# Altium PCB PCB1.PcbDoc (continued)
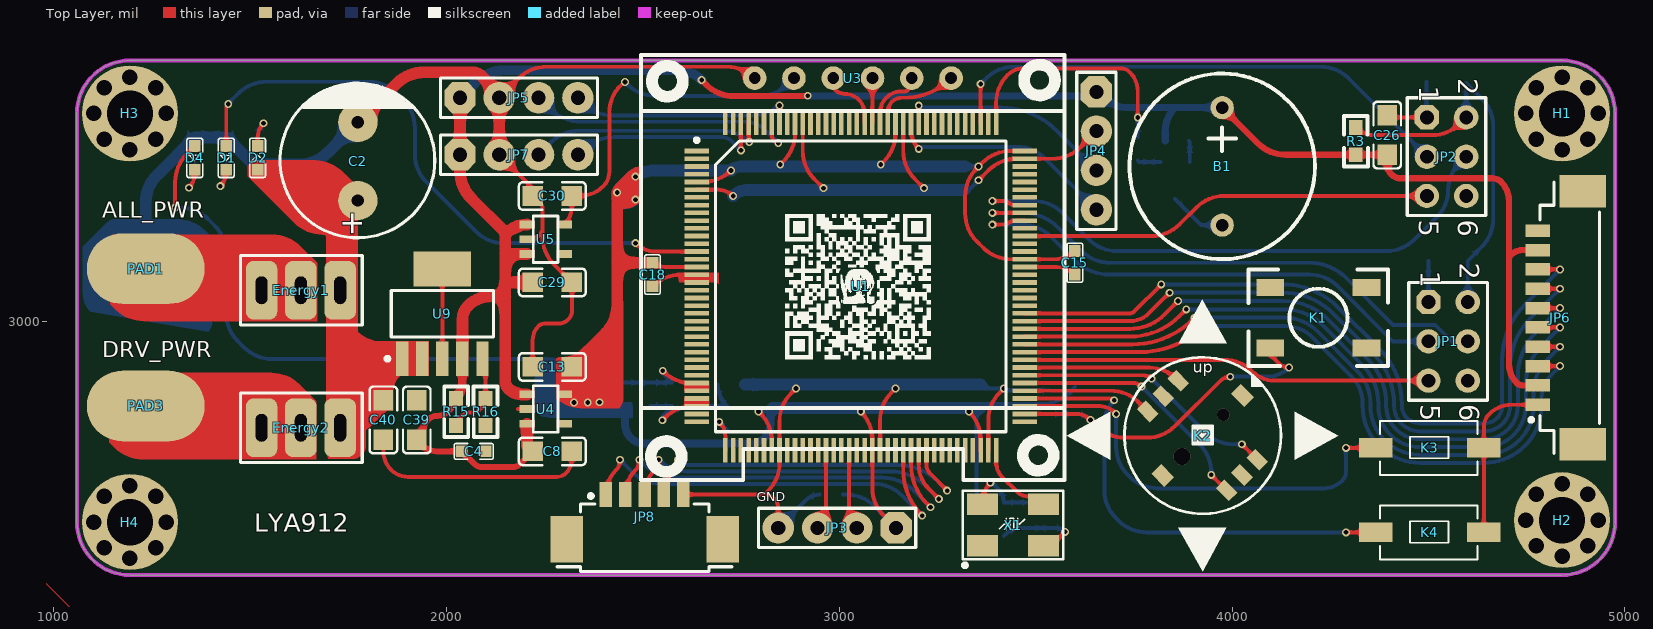
[diagram p0: Top Layer view]
## Nets (pads, with @x,y where several pads share a name; then routed paths per layer and width w, separated by ;. In a path a pad name is that pad's centre, name@x,y a point inside that pad or via, vN(x,y) a via of type N, cw(c..) or ccw(c..) an arc to the next point about the centre after c; other vN are vias at no path point) (continued)
ADC5: JP6.7 U1.86 | length 1886
  Top Layer w10: U1.86 3740,3001.42 ccw(c3740,3071.05) 3789.24,3021.81 v1(3841.21,3073.79) ; JP6.7 v1(4835,3083.82)
  Bottom Layer w10: v1(3841.21,3073.79) 4129.79,3073.79 cw(c4129.79,2893.79) 4257.07,3021.07 4359.71,2918.43 cw(c4232.43,2791.15) 4412.43,2791.15 4412.43,2785.36 ccw(c4475.36,2785.36) 4430.86,2740.86 ccw(c4479.14,2789.14) 4479.14,2720.86 4640.86,2720.86 ccw(c4640.86,2789.14) 4689.14,2740.86 ccw(c4644.64,2785.36) 4707.57,2785.36 4707.57,2881.83 cw(c4887.57,2881.83) 4760.29,3009.11 v1(4835,3083.82)
ADC6: JP6.8 U1.87 | length 1914.7
  Top Layer w10: U1.87 3740,3021.1 ccw(c3740,3035.83) 3750.41,3025.41 v1(3820,3095) ; JP6.8 v1(4835,3133.03)
  Bottom Layer w10: v1(3820,3095) 4128.58,3095 cw(c4128.58,2895) 4270,3036.42 4373.85,2932.57 cw(c4232.43,2791.15) 4432.43,2791.15 4432.43,2785.36 ccw(c4475.36,2785.36) 4445,2755 ccw(c4479.14,2789.14) 4479.14,2740.86 4640.86,2740.86 ccw(c4640.86,2789.14) 4675,2755 ccw(c4644.64,2785.36) 4687.57,2785.36 4687.57,2902.76 cw(c4887.57,2902.76) 4746.15,3044.18 v1(4835,3133.03)
BEEP: R1.1 U1.109 | length 617.2
  Top Layer w10: U1.109 3399.49,3557.16 cw(c3499.49,3557.16) 3428.78,3627.87 cw(c3470.14,3586.51) 3470.14,3645 3715.86,3645 cw(c3715.86,3610.86) 3740,3635 cw(c3691.72,3586.72) 3760,3586.72 v1(3760,3520)
  Bottom Layer w10: R1.1 v1(3760,3520)
DIR_1: JP1.4 U1.100 | length 1412.3
  Top Layer w10: v1(3390,3277.01) U1.100
  Bottom Layer w10: v1(3390,3277.01) 3466.57,3277.01 cw(c3466.57,3147.01) 3558.49,3238.93 3618.14,3179.29 ccw(c3688.85,3250) 3688.85,3150 4197.72,3150 cw(c4197.72,3020) 4289.64,3111.92 4409.57,2992 4517.4,2992 4559.4,2950 JP1.4
DIR_2: JP2.4 U1.101 | length 1468.3
  Top Layer w10: v1(3390,3307.01) 3425.51,3307.01 ccw(c3450.41,3331.91) 3450.41,3296.69 U1.101
  Bottom Layer w10: v1(3390,3307.01) 3496.57,3307.01 cw(c3496.57,3207.01) 3567.28,3277.72 3635.71,3209.29 ccw(c3706.42,3280) 3706.42,3180 4393.58,3180 ccw(c4393.58,3280) 4464.29,3209.29 4521.72,3266.72 ccw(c4453.43,3335) 4550,3335 cw(c4644.1,3335) 4577.56,3401.54 JP2.4
GND: C1.1 C2.2 C3.1 C4.1 C8.1 C11.1 C13.1 C15.1 C16.1 C17.1 C18.1 C19.1 C20.1 C21.1 C22.1 C23.1 C26.1 C27.1 C28.1 C29.1 C30.1 C39.1 C40.1 H1.1@4840,3437.48 H1.1@4840,3530 H2.1@4840,2495 H2.1@4840,2587.52 H3.1@1195,3437.48 H3.1@1195,3530 H4.1@1195,2490 H4.1@1195,2582.52 JP1.1 JP2.1 JP3.4 JP4.2 JP5.2 JP6.1 JP6.10 JP7.2 JP8.5 K1.2@4097.5,3087.5 K2.5 K3.2 K4.2 PAD2.1 Q1.2 R2.1 R6.1 R11.1 R13.1 R14.1 R16.2 U1.6 U1.17 U1.18 U1.44 U1.57 U1.71 U1.93 U1.107 U1.121 U1.134 U3.1 U4.2 U5.2 U9.3 | length 8195.4
  Top Layer w10: C40.1@1840,2701.06 C40.1 1840,2670.82 ccw(c1908.28,2670.82) 1860,2622.54 ccw(c1902.34,2664.88) 1902.34,2605 2280.86,2605 ccw(c2280.86,2639.14) 2305,2615 ccw(c2268.79,2651.21) 2320,2651.21 C8.1 C8.1@2305,2670 ; C39.1 C39.1@1938.79,2800 ; U9.3@1990,2905.83 U9.3@1990,3134.17 ; R16.2 R16.2@2112.31,2748.31 ; JP7.2 2205.86,3354.14 cw(c2171.72,3320) C30.1 2241.46,3298.54 cw(c2232.93,3290) 2245,3290 2245,3240 ; JP5.2 2184.71,3619.71 cw(c2255.42,3549) 2255.42,3649 2714.99,3649 cw(c2714.99,3549.99) U3.1 ; 2183.02,2777.6 U4.2 ; U5.2 2213.71,3210 ccw(c2213.71,3242.21) 2236.48,3219.43 ccw(c2215.92,3240) 2245,3240 ; C13.1@2237.32,2867.68 C13.1 2220,2952.72 cw(c2271.21,2952.72) 2235,2988.93 cw(c2249.64,2974.29) 2249.64,2995 2285.86,2995 ccw(c2285.86,3029.14) 2310,3005 ccw(c2285.86,3029.14) 2320,3029.14 C29.1 2274.29,3145.71 cw(c2345,3216.42) 2245,3216.42 2245,3240 ; C18.1 2525.24,3090.24 cw(c2595.95,3019.53) 2595.95,3119.53 U1.17 U1.18 ; JP8.5 2810.29,2560.24 ; U1.6 2691.42,3336.06 cw(c2691.42,3281.22) v1(2730.2,3320) ; JP3.4 2845,2525.86 ccw(c2810.86,2525.86) 2835,2550 ccw(c2810.29,2525.29) 2810.29,2560.24 ; v1(2890,2830) 2877.6,2817.6 ccw(c2948.31,2746.89) 2848.31,2746.89 U1.44 2848.31,2639.68 cw(c2748.31,2639.68) 2819.02,2568.97 2810.29,2560.24 ; U1.134 2907.36,3434.06 ccw(c3007.36,3434.06) 2936.65,3363.35 v1(2960,3340) ; U1.57 3104.21,2749.21 cw(c3204.21,2749.21) 3133.5,2819.92 v1(3143.58,2830) ; U1.121 3163.27,3434.06 ccw(c3263.27,3434.06) 3192.56,3363.35 v1(3215.91,3340) ; v1(3355,3360) 3380.51,3385.51 cw(c3451.22,3314.8) 3451.22,3414.8 U1.107 3543.38,3414.8 ccw(c3543.38,3514.8) 3614.09,3444.09 JP4.2 ; U1.71 3379.8,2749.21 cw(c3479.8,2749.21) 3409.09,2819.92 v1(3419.17,2830) ; U1.93 3553.62,3139.21 cw(c3553.62,3073.62) C15.1 ; C26.1 ccw(c4407.07,3537.07) 4407.07,3520 JP2.1 ; K4.2 K3.2 4641.02,2731.46 cw(c4688.74,2731.46) 4655,2765.2 cw(c4711.36,2708.83) 4711.36,2788.54 JP6.1
  Top Layer w30: C2.2 1873.39,3605.71 cw(c1944.1,3535) 1944.1,3635 2065.86,3635 cw(c2065.86,3600.86) 2090,3625 2127.93,3587.07 cw(c2110.86,3570) JP5.2 JP7.2
  Bottom Layer w10: JP3.4@2879.14,2489.14 cw(c2845,2523.28) JP3.4 2915.86,2545.86 cw(c2950,2511.72) C1.1 ; C23.1 ccw(c3320,3359.14) 3337.07,3342.07 v1(3355,3360) ; C22.1 ccw(c3384.14,2864.14) 3384.14,2830 v1(3419.17,2830) 3424.17,2825 C11.1 ; C3.1 3892.4,3457.6 Q1.2 ; C28.1 4495,3522.47 ccw(c4498.49,3522.47) JP2.1 ; JP1.1 C27.1
  Bottom Layer w30: PAD2.1 1235,3302.58 cw(c1335,3302.58) 1264.29,3373.29 R14.1 R2.1 1501.22,3407.78 ccw(c1520,3426.56) R6.1 1626.26,3400 ccw(c1626.26,3500) 1696.97,3429.29 C2.2 ; v1(2730.2,3320) 2731.19,3321 cw(c2765,3287.19) C21.1 C19.1 C17.1 C23.1 ; R13.1 C20.1 C16.1 C22.1
KEY1: K3.1 U1.75 | length 1123.8
  Top Layer w10: U1.75 3664.07,2784.88 cw(c3664.07,2734.07) 3700,2770 v1(3705,2765) ; v1(4290,2678.86) K3.1
  Bottom Layer w10: v1(3705,2765) 3705,2681.42 ccw(c3805,2681.42) 3734.29,2610.71 3739.86,2605.14 ccw(c3810.57,2675.85) 3810.57,2575.85 4233.77,2575.85 ccw(c4233.77,2641.23) 4280,2595 ccw(c4255.86,2619.14) 4290,2619.14 v1(4290,2678.86)
KEY2: K4.1 U1.76 | length 1214.8
  Top Layer w10: U1.76 3688.97,2804.57 cw(c3688.97,2788.97) v1(3700,2800) ; v1(4290,2463.86) K4.1
  Bottom Layer w10: v1(3700,2800) ccw(c3760.36,2739.64) 3675,2739.64 3675,2571.42 ccw(c3775,2571.42) 3704.29,2500.71 3711.85,2493.15 ccw(c3782.56,2563.86) 3782.56,2463.86 v1(4290,2463.86)
KEY3: K2.3 U1.77 | length 330.9
  Top Layer w10: U1.77 3691.38,2824.25 cw(c3691.38,2724.25) 3762.09,2794.96 K2.3
KEY4: K2.4 U1.78 | length 649.8
  Top Layer w10: U1.78 3748.42,2843.94 cw(c3748.42,2813.42) v1(3770,2835) ; v1(3947.05,2610.2) 3966.2,2591.06 3966.2,2590.86 K2.4
  Bottom Layer w10: v1(3770,2835) 3917.76,2687.24 cw(c3847.05,2616.53) 3947.05,2616.53 v1(3947.05,2610.2)
KEY5: K2.6 U1.79 | length 675.7
  Top Layer w10: U1.79 3774.18,2863.62 cw(c3774.18,2834.18) v1(3795,2855) ; v1(4025,2688.15) 4044.14,2669 4044.14,2668.8 K2.6
  Bottom Layer w10: v1(3795,2855) 3932.56,2717.44 ccw(c4003.27,2788.15) 4003.27,2688.15 v1(4025,2688.15)
KEY6: K2.1 U1.80 | length 401
  Top Layer w10: U1.80 3788.22,2883.31 cw(c3788.22,2783.31) 3858.93,2854.02 K2.1
NetB1_2: B1.2 Q1.3 | length 147.4
  Bottom Layer w10: Q1.3 3921.21,3245.79 B1.2
NetC9_1: C9.1 C10.1 R11.2 X1.2 | length 231.4
  Top Layer w10: X1.2 ccw(c3520,2478.28) 3554.14,2444.14 v1(3575,2465)
  Bottom Layer w10: R11.2 cw(c3467.28,2406.72) 3467.28,2475 C10.1 C9.1 3550.86,2475 cw(c3550.86,2440.86) v1(3575,2465)
NetC9_2: C9.2 C10.2 R9.1 X1.4 | length 247
  Top Layer w10: X1.4 3365,2541.72 cw(c3433.28,2541.72) v1(3385,2590)
  Bottom Layer w10: v1(3385,2590) cw(c3385,2577.93) 3393.54,2586.46 3404.15,2575.85 cw(c3368.3,2540) R9.1 3527.93,2540 cw(c3527.93,2522.93) C9.2
NetC14_2: C14.2 U1.37 | length 104.8
  Top Layer w10: v1(2695,2745) cw(c2657.55,2707.55) 2710.51,2707.55 U1.37
  Bottom Layer w10: v1(2695,2745) C14.2
NetC27_2: C27.2 C28.2 JP1.2 JP2.2 R3.2 | length 992.4
  Top Layer w10: R3.2 ccw(c4360.87,3539.87) 4360.87,3475 4509.6,3475 ccw(c4509.6,3575) 4580.31,3504.29 JP2.2
  Bottom Layer w10: JP2.2 4596.02,3607.53 4635.71,3567.84 cw(c4565,3497.13) 4665,3497.13 4665,3261.42 cw(c4565,3261.42) 4635.71,3190.71 C27.2 JP1.2
NetD1_2: D1.2 R2.2 | length 105
  Top Layer w10: v1(1425,3345) ccw(c1388.79,3381.21) 1440,3381.21 D1.2
  Bottom Layer w10: v1(1425,3345) ccw(c1388.79,3381.21) 1440,3381.21 R2.2
NetD2_2: D2.2 R6.2 | length 102
  Top Layer w10: D2.2 1520,3468.79 cw(c1571.21,3468.79) v1(1535,3505)
  Bottom Layer w10: R6.2 cw(c1570.7,3469) 1534.85,3504.85 v1(1535,3505)
NetD4_2: D4.2 R14.2 | length 103.3
  Top Layer w10: v1(1345,3340.89) ccw(c1308.79,3377.11) D4.2@1360,3377.11
  Bottom Layer w10: v1(1345,3340.89) ccw(c1308.79,3377.11) 1360,3377.11 R14.2
NetEnergy1_1: Energy1.1 Energy1.2 PAD1.1 | length 413.5
  Top Layer w50: PAD1.1 1533.58,3135 cw(c1533.58,3035) 1604.29,3105.71 Energy1.2
NetEnergy2_1: Energy2.1 Energy2.2 PAD3.1 | length 413.7
  Top Layer w50: PAD3.1 1533.12,2785.46 cw(c1533.12,2685.46) 1603.83,2756.17 Energy2.2
NetQ1_1: Q1.1 R1.2 | length 59.1
  Bottom Layer w10: R1.2 3763.51,3406.49 Q1.1
NetR15_1: R15.1 R16.1 U9.5 | length 226.6
  Top Layer w10: R15.1 cw(c2049.56,2736) 2032.19,2753.36 2037.11,2758.29 cw(c2062.6,2732.79) 2062.6,2768.84 ccw(c2062.6,2807.12) 2089.67,2780.05 ccw(c2064.72,2805) R16.1 ; R16.1@2089.77,2800.77 cw(c2100,2790.51) R16.1 ; U9.5 cw(c2073.92,2887.39) 2100,2887.39 R16.1
"OLED PWR": C30.2 U3.2 U5.5 | length 901.6
  Top Layer w10: U5.5 ccw(c2252.31,3295.27) 2320,3295.27 C30.2 2339.64,3320 ccw(c2339.64,3405.36) 2400,3345 ccw(c2363.79,3381.21) 2415,3381.21 2415,3531.1 cw(c2515,3531.1) 2444.29,3601.81 2450.7,3608.22 cw(c2455,3603.92) v1(2455,3610)
  Bottom Layer w10: v1(2455,3610) 2460.71,3604.29 ccw(c2531.42,3675) 2531.42,3575 2798.58,3575 ccw(c2798.58,3675) 2869.29,3604.29 U3.2
OLED_DC: U1.123 U3.6 | length 221.8
  Top Layer w10: U1.123 3123.9,3533.2 cw(c3161.8,3533.2) 3135,3560 cw(c3159.14,3535.86) 3159.14,3570 3165.82,3570 ccw(c3165.82,3737) 3283.91,3618.91 U3.6
OLED_RST: U1.124 U3.5 | length 159.9
  Top Layer w10: U1.124 3104.21,3531.89 cw(c3158.11,3531.89) 3120,3570 cw(c3158.63,3531.37) 3158.63,3586 3165.34,3586 ccw(c3165.34,3599.66) 3175,3590 ccw(c3150.86,3614.14) 3185,3614.14 U3.5
OLED_SCL: U1.126 U3.3 | length 159.7
  Top Layer w10: U3.3 2985,3602.43 ccw(c3002.93,3602.43) 2990.25,3589.75 ccw(c3013.79,3613.28) 3013.79,3580 cw(c3013.79,3528.79) 3050,3565 cw(c3014.17,3529.17) 3064.84,3529.17 U1.126
OLED_SDA: U1.125 U3.4 | length 112.8
  Top Layer w10: U1.125 3084.53,3618.86 cw(c3086.14,3618.86) U3.4
OSC: U1.72 X1.3 | length 202.2
  Top Layer w10: U1.72 3399.49,2642.45 ccw(c3452.45,2642.45) 3415,2605 3453.67,2566.33 ccw(c3480,2592.65) 3480,2555.42 cw(c3480,2508.15) 3513.42,2541.58 X1.3
PTA8: JP8.1 U1.60 | length 1096.4
  Top Layer w10: JP8.1 cw(c2494.68,2560.24) 2432.38,2622.54 ccw(c2408.29,2646.63) 2442.36,2646.63 v1(2442.36,2648.57) ; U1.60 3163.27,2622.47 ccw(c3327.47,2622.47) v1(3211.36,2506.36)
  Bottom Layer w10: v1(2442.36,2648.57) 2474.64,2616.29 ccw(c2545.35,2687) 2545.35,2587 3089.3,2587 cw(c3089.3,2487) 3160.01,2557.71 v1(3211.36,2506.36)
PTA9: JP8.2 U1.61 | length 1038.6
  Top Layer w10: JP8.2 cw(c2543.9,2560.24) 2481.59,2622.54 ccw(c2457.5,2646.63) 2491.57,2646.63 v1(2491.57,2648.57) ; U1.61 3182.95,2636.18 ccw(c3325.36,2636.18) 3224.66,2535.48 v1(3232.57,2527.57)
  Bottom Layer w10: v1(2491.57,2648.57) 2503.16,2636.98 ccw(c2585.19,2719) 2585.19,2603 3109.1,2603 cw(c3109.1,2487) 3191.12,2569.02 v1(3232.57,2527.57)
PTA10: JP8.3 U1.62 | length 983.5
  Top Layer w10: JP8.3 cw(c2593.11,2560.24) 2530.81,2622.54 ccw(c2506.71,2646.63) 2540.79,2646.63 v1(2540.79,2648.57) ; U1.62 3202.64,2636.18 ccw(c3290.14,2636.18) 3228.27,2574.31 v1(3253.79,2548.79)
  Bottom Layer w10: v1(2540.79,2648.57) ccw(c2612.16,2719.94) 2612.16,2619 3128.9,2619 cw(c3128.9,2487) 3222.24,2580.34 v1(3253.79,2548.79)
PTA11: JP8.4 U1.63 | length 930.2
  Top Layer w10: JP8.4 cw(c2642.32,2560.24) 2580.02,2622.54 ccw(c2555.92,2646.63) 2590,2646.63 v1(2590,2648.57) ; U1.63 3222.32,2636.18 ccw(c3254.92,2636.18) 3231.87,2613.13 v1(3275,2570)
  Bottom Layer w10: v1(2590,2648.57) ccw(c2622.75,2681.31) 2622.75,2635 3148.7,2635 cw(c3148.7,2487) 3253.35,2591.65 v1(3275,2570)
PTB0: JP1.5 U1.81 | length 1041.8
  Top Layer w10: U1.81 3980.59,2902.99 cw(c3980.59,2802.99) 4051.3,2873.7 ccw(c4108.52,2930.93) 4108.52,2850 JP1.5
PTB18: JP2.5 U1.97 | length 1057.4
  Top Layer w10: U1.97 3795.1,3217.95 ccw(c3795.1,3317.95) 3865.81,3247.24 3909.28,3290.71 cw(c3979.99,3220) 3979.99,3320 JP2.5
PTB20: JP1.3 U1.99 | length 1303.9
  Top Layer w10: v1(3390,3247.01) 3425.51,3247.01 cw(c3450.41,3222.11) 3450.41,3257.32 U1.99
  Bottom Layer w10: v1(3390,3247.01) 3466.57,3247.01 cw(c3466.57,3147.01) 3537.28,3217.72 3596.92,3158.08 ccw(c3688.85,3250) 3688.85,3120 4197.72,3120 cw(c4197.72,3020) 4268.43,3090.71 4409.14,2950 JP1.3
PTC6: JP2.3 U1.111 | length 1338.1
  Top Layer w10: U1.111 v1(3360.12,3605)
  Bottom Layer w10: v1(3360.12,3605) 3374.83,3619.71 cw(c3445.54,3549) 3445.54,3649 4225.6,3649 cw(c4225.6,3549) 4296.31,3619.71 JP2.3
PTC14: JP4.3 U1.119 | length 554
  Top Layer w10: U1.119 v1(3202.64,3550)
  Bottom Layer w10: v1(3202.64,3550) ccw(c3214.71,3562.07) 3214.71,3545 3412.16,3545 cw(c3412.16,3345) 3553.58,3486.42 JP4.3
PTC15: JP4.4 U1.120 | length 588.3
  Top Layer w10: U1.120 3182.95,3487.52 ccw(c3250.16,3487.52) v1(3202.64,3440)
  Bottom Layer w10: v1(3202.64,3440) cw(c3214.71,3427.93) 3214.71,3445 3453.58,3445 cw(c3453.58,3345) 3524.29,3415.71 JP4.4
PTD8: JP5.4 U1.137 | length 594.2
  Top Layer w10: U1.137 v1(2848.31,3550.2) ; v1(2848.31,3550.2) cw(c2854.09,3550.2) 2850,3554.29 2848.31,3552.6 v1(2848.31,3550.2)
  Bottom Layer w10: JP5.4 2350.71,3554.29 ccw(c2421.42,3625) 2421.42,3525 2779.29,3525 ccw(c2779.29,3625) 2850,3554.29 2848.31,3552.6 v1(2848.31,3550.2)
PTD9: JP5.3 U1.138 | length 710.1
  Top Layer w10: U1.138 2828.62,3475.19 ccw(c2850.4,3475.19) 2835,3459.79 2836.11,3458.68 ccw(c2845,3467.58) v1(2845,3455)
  Bottom Layer w10: JP5.3 2262.02,3542.98 ccw(c2344.05,3625) 2344.05,3509 2760,3509 cw(c2760,3434.16) 2812.92,3487.08 v1(2845,3455)
PTE11: D1.1 U1.14 | length 1566.6
  Top Layer w10: D1.1 1440,3542.22 cw(c1457.07,3542.22) v1(1445,3554.29) ; v1(2481.59,3200) ccw(c2533.3,3251.71) 2533.3,3178.58 U1.14
  Bottom Layer w10: v1@1445,3555 1471.42,3581.42 cw(c1542.13,3510.71) 1542.13,3610.71 1802.87,3610.71 cw(c1802.87,3510.71) 1873.58,3581.42 1890.71,3564.29 cw(c1820,3493.58) 1920,3493.58 1920,3426.42 ccw(c2020,3426.42) 1949.29,3355.71 2075.71,3229.29 ccw(c2146.42,3300) 2146.42,3200 v1(2481.59,3200)
PWR: C2.1 C40.2 D2.1 Energy1.3 Energy2.3 U9.1 U9.2 | length 1183.2
  Top Layer w30: U9.1 U9.2
  Top Layer w50: D2.1 1654.9,3387 cw(c1654.9,3287) 1725.61,3357.71 C2.1 1759.29,3292.61 ccw(c1830,3221.9) 1730,3221.9 Energy1.3 Energy2.3 ccw(c1730,2826.57) 1798.28,2758.28 C40.2 1840,2816.77 cw(c1940,2816.77) 1869.29,2887.48 U9.1
RESET: C11.2 K1.1@4097.5,2932.5 R10.1 U1.74 | length 941.1
  Top Layer w10: U1.74 3603.31,2765.2 cw(c3603.31,2713.31) v1(3640,2750) 3655.71,2734.29 ccw(c3726.42,2805) 3726.42,2705 3784.2,2705 ccw(c3784.2,2805) 3854.91,2734.29 3970,2849.38 cw(c3995.63,2823.75) v1(3995.63,2860) ; K1.1@4097.5,2932.5 4097.5,2915 4118.02,2894.48 ccw(c4145,2921.47) v1(4145,2883.31)
  Bottom Layer w10: C11.2 R10.1 3603.79,2765 cw(c3603.79,2713.79) v1(3640,2750) ; v1(3995.63,2860) 4088.73,2860 ccw(c4088.73,2939.58) v1(4145,2883.31)
SCL2: JP7.4 U1.142 | length 512.4
  Top Layer w10: U1.142 2749.88,3436.14 v1(2750,3436.02)
  Bottom Layer w10: JP7.4 2346.02,3436.02 cw(c2428.05,3354) 2428.05,3470 2699.64,3470 cw(c2699.64,3430.46) 2727.6,3458.43 ; 2727.61,3458.42 v1(2750,3436.02)
SDA2: JP7.3 U1.141 | length 615.4
  Top Layer w10: U1.141 2769.57,3461.21 ccw(c2775.19,3461.21) v1(2771.21,3457.24)
  Bottom Layer w10: JP7.3 2266.71,3456.71 cw(c2337.42,3386) 2337.42,3486 2701.77,3486 cw(c2701.77,3387.8) v1(2771.21,3457.24)
TCK: JP3.3 U1.50 | length 203.4
  Top Layer w10: JP3.3 ccw(c2893.29,2526.71) 2966.42,2526.71 U1.50
TMS: JP3.2 U1.53 | length 202.9
  Top Layer w10: U1.53 3025.47,2522.14 ccw(c3092.14,2522.14) JP3.2
VDD: C1.2 C13.2 C15.2 C16.2 C17.2 C18.2 C19.2 C20.2 C21.2 C22.2 C23.2 D4.1 JP3.1 R9.2 R10.2 R12.1 U1.5 U1.16 U1.43 U1.56 U1.70 U1.94 U1.108 U1.122 U1.135 U4.5 | length 6669.5
  Top Layer w10: v1(1310,3290) 1310,3355.58 cw(c1410,3355.58) 1339.29,3426.29 D4.1 ; C13.2@2320,2862.87 C13.2 ; C18.2 ccw(c2551.04,3176.04) 2551.04,3139.21 U1.16 ; U1.5 2653.81,3355.75 ccw(c2653.81,3455.75) v1(2724.52,3385.04) ; v1(2795,2771.43) 2799.33,2767.1 cw(c2728.62,2696.39) 2828.62,2696.39 U1.43 ; v1(2850,3400) 2858.39,3408.39 ccw(c2787.68,3479.1) 2887.68,3479.1 U1.135 ; v1(3055.24,2771.2) cw(c2984.53,2700.49) 3084.53,2700.49 U1.56 3084.53,2576.89 ccw(c3184.53,2576.89) 3113.82,2506.18 JP3.1 ; v1(3105.91,3400) 3114.29,3408.39 ccw(c3043.58,3479.1) 3143.58,3479.1 U1.122 ; v1(3330.83,2771.2) cw(c3260.12,2700.49) 3360.12,2700.49 U1.70 ; U1.108 3435.91,3434.49 ccw(c3435.91,3334.49) 3365.2,3405.2 v1(3355,3395) 3350.04,3390.04 ccw(c3420.75,3319.33) 3320.75,3319.33 3320.75,3275.67 ccw(c3420.75,3275.67) 3350.04,3204.96 3366.81,3188.19 ccw(c3437.52,3258.9) 3437.52,3158.9 U1.94 3549.05,3158.9 ccw(c3549.05,3230.95) C15.2
  Top Layer w30: C13.2@2320,2862.87 cw(c2252.31,2862.87) U4.5 2341.72,2815 cw(c2341.72,2746.72) v1(2390,2795) ; C13.2 2405.71,2970.71 ccw(c2335,3041.42) 2435,3041.42 2435,3150 ; v1(2435,3328.82) 2435,3150 ; C18.2 2435,3150
  Bottom Layer w10: v1(1310,3290) 1323.58,3290 cw(c1323.58,3190) 1394.29,3260.71 1410.71,3244.29 cw(c1340,3173.58) 1440,3173.58 1440,3021.42 ccw(c1540,3021.42) 1469.29,2950.71 1485.71,2934.29 ccw(c1556.42,3005) 1556.42,2905 2238.58,2905 cw(c2238.58,2805) 2309.29,2875.71 v1(2390,2795) ; 2435.87,2776 R12.1 ; v1(2795,2771.43) 2809.32,2771.43 ccw(c2809.32,2800.68) C20.2 ccw(c2842.07,2767.93) C20.2@2825,2767.93 ; C1.2 3018.58,2560 cw(c3018.58,2460) 3089.29,2530.71 JP3.1 ; C23.2 v1(3355,3395) ; R9.2 3350,2755.86 cw(c3384.14,2755.86) C22.2 cw(c3386.56,2753.44) 3386.56,2791 3528.69,2791 ccw(c3514.58,2890) 3585.29,2819.29 R10.2
  Bottom Layer w20: v1(2390,2795) ccw(c2435.87,2840.87) 2435.87,2776 ; R12.1 2455,2740 ccw(c2506.21,2740) 2470,2703.79 ccw(c2503.28,2737.07) 2503.28,2690 2778.22,2690 ; 2775,2690 ccw(c2775,2741.21) 2811.21,2705 ccw(c2777.93,2738.28) 2825,2738.28 C20.2@2825,2767.93
  Bottom Layer w30: v1(2435,3328.82) 2461.93,3355.75 cw(c2532.64,3285.04) 2532.64,3385.04 v1(2724.52,3385.04) cw(c2748.58,3360.99) 2748.58,3395 C21.2 C19.2 C17.2 C23.2 ; C20.2 C16.2 C22.2
  other v1: 2325,2794.59 2360,2794.59 2481.59,3310.6 2481.59,3369.21
VDDA: C24.1 C25.2 R12.2 U1.31 U1.32 | length 274.2
  Top Layer w10: v1(2551.04,2875) 2552.82,2873.23 ccw(c2623.53,2943.94) 2623.53,2843.94 U1.31 U1.32
  Bottom Layer w10: R12.2 C25.2 C24.1 2555.32,2864.68 cw(c2565.63,2875) v1(2551.04,2875)
VSSA: C14.1 C24.2 C25.1 R13.2 U1.33 U1.34 | length 458
  Top Layer w10: v1(2550,2749.21) 2556.38,2755.59 cw(c2627.09,2684.88) 2627.09,2784.88 U1.34 ccw(c2632.07,2790.49) 2640,2790.49 2640,2804.57 U1.33
  Bottom Layer w10: C25.1 C24.2 2557.63,2767.63 ccw(c2576.05,2749.21) v1(2550,2749.21) 2556.5,2755.71 cw(c2627.21,2685) 2627.21,2785 C14.1 2712.92,2787.08 cw(c2765.84,2840) R13.2
pads on no net: H1.1@4747.48,3530 H1.1@4774.58,3464.58 H1.1@4774.58,3595.42 H1.1@4840,3622.52 H1.1@4905.42,3464.58 H1.1@4905.42,3595.42 H1.1@4932.52,3530 H2.1@4747.48,2495 H2.1@4774.58,2429.58 H2.1@4774.58,2560.42 H2.1@4840,2402.48 H2.1@4905.42,2429.58 H2.1@4905.42,2560.42 H2.1@4932.52,2495 H3.1@1102.48,3530 H3.1@1129.58,3464.58 H3.1@1129.58,3595.42 H3.1@1195,3622.52 H3.1@1260.42,3464.58 H3.1@1260.42,3595.42 H3.1@1287.52,3530 H4.1@1102.48,2490 H4.1@1129.58,2424.58 H4.1@1129.58,2555.42 H4.1@1195,2397.48 H4.1@1260.42,2424.58 H4.1@1260.42,2555.42 H4.1@1287.52,2490 JP1.6 JP2.6 JP6.MP1 JP6.MP2 JP8.MP1 JP8.MP2 K1.1@4342.5,2932.5 K1.2@4342.5,3087.5 K2.0 K2.2 U1.1 U1.2 U1.3 U1.4 U1.7 U1.8 U1.9 U1.10 U1.11 U1.12 U1.13 U1.15 U1.19 U1.20 U1.21 U1.22 U1.23 U1.24 U1.25 U1.26 U1.27 U1.28 U1.29 U1.30 U1.35 U1.36 U1.38 U1.39 U1.40 U1.41 U1.42 U1.45 U1.46 U1.47 U1.48 U1.49 U1.51 U1.52 U1.54 U1.55 U1.58 U1.59 U1.64 U1.65 U1.66 U1.67 U1.68 U1.69 U1.73 U1.88 U1.89 U1.90 U1.91 U1.92 U1.95 U1.96 U1.98 U1.102 U1.103 U1.104 U1.105 U1.106 U1.110 U1.112 U1.113 U1.114 U1.115 U1.116 U1.117 U1.118 U1.127 U1.128 U1.129 U1.130 U1.131 U1.132 U1.133 U1.136 U1.139 U1.140 U1.143 U1.144 U4.4 U5.4 X1.1
copper on no net:
  other v2: 3978.12,2763.12
  other v3: 3872.33,2657.33

## Polygon pours and split planes (outlines as drawn)
GND on Top Layer "Top Layer-GND" (solid, remove dead copper, shelved, pour order 8): 535,4225 535,2821.42 ccw(c635,2821.42) 564.29,2750.71 1300,2015 1330.71,2045.71 cw(c1401.42,1975) 1401.42,2075 5415,2075 5415,3618.58 ccw(c5315,3618.58) 5385.71,3689.29 5285,3790
no net on Top Layer "Top Layer-No Net" (solid, remove dead copper, shelved, pour order 0): 815,4035
GND on Bottom Layer "Bottom Layer-GND" (solid, remove dead copper, shelved, pour order 6): 815,4120 950.71,3984.29 cw(c880,3913.58) 980,3913.58 980,2180 5048.58,2180 ccw(c5048.58,2280) 5119.29,2209.29 5195.71,2285.71 ccw(c5125,2356.42) 5225,2356.42 5225,3815

## Keep-outs
Keep-Out Layer:
  the board outline again, w10

## Other copper
Top Layer:
  region net GND: 2588.07,3125 2693.34,3125 2693.34,3098.85 ccw(c2699.01,3098.85) 2695,3094.84 ccw(c2682.93,3082.77) 2682.93,3099.84 2592.69,3099.84
  region net VSSA: 2670,2779.27 2670,2810.51 2615.58,2810.51 ccw(c2615.58,2797.4) 2606.31,2806.67 2606.31,2785.44
  region net VDDA: 2670,2817.6 2670,2848.84 2615.58,2848.84 ccw(c2615.58,2835.73) 2606.31,2845 2606.31,2823.76
  region net VDD: 2495.94,3394.82 ccw(c2495.94,3347.94) 2462.78,3381.09 2430.52,3348.83 ccw(c2453.65,3325.7) 2420.94,3325.7 2420.94,3322.89 ccw(c2472.15,3322.89) 2435.94,3286.68 2447.66,3286.68 ccw(c2447.66,3354.96) 2495.94,3306.68
  region net VDD: 2280,2805.32 ccw(c2340.99,2866.31) 2340.99,2780.05 2440,2780.05 ccw(c2414.16,2805.89) 2450.7,2805.89 2450.7,3052.57 cw(c2422.04,3052.57) 2442.31,3032.31 2410,3000 cw(c2397.93,3000) 2406.46,2991.46 2346.21,2931.21 cw(c2295,2982.43) 2295,2910 2290.07,2910 ccw(c2290.07,2895.75) 2280,2905.83
  region net NetEnergy2_1: 1668.69,2649.39 1668.69,2797.97 1626.08,2840.58 ccw(c1555.37,2769.87) 1555.37,2869.87 1147.48,2869.87 ccw(c1159.55,2857.8) 1142.48,2857.8 1142.48,2692.97 1156.77,2678.68 ccw(c1227.48,2749.39) 1227.48,2649.39
  region net NetEnergy1_1: 1671.21,3001.42 1671.21,3150 1628.6,3192.61 ccw(c1557.89,3121.9) 1557.89,3221.9 1150,3221.9 ccw(c1162.07,3209.83) 1145,3209.83 1145,3045 1159.29,3030.71 ccw(c1230,3101.42) 1230,3001.42
  region net PWR: 1700,2651.21 1763.79,2651.21 ccw(c1763.79,2681.21) 1785,2660 ccw(c1760.86,2684.14) 1795,2684.14 1795,2725 cw(c1855.36,2725) 1812.68,2767.68 1815,2770 cw(c1827.07,2757.93) 1827.07,2775 1865,2775 1865,2823.79 cw(c1916.21,2823.79) 1880,2860 cw(c1886.92,2853.08) 1886.92,2862.87 1955,2862.87 1955,2950 1835.36,2950 cw(c1835.36,3035.36) 1775,2975 1775,3321.5 ccw(c1723.79,3321.5) 1760,3357.71 1737,3380.71 ccw(c1666.29,3310) 1666.29,3410 1509.88,3410 1495,3395.12 1495,3370 1613.81,3251.19 ccw(c1684.52,3321.9) 1684.52,3221.9 1690,3221.9 cw(c1677.93,3209.83) 1695,3209.83 1695,2675
  region: 1690,2657.33
Bottom Layer:
  region net GND: 1394.29,2975 ccw(c1368.43,3000.86) 1405,3000.86 1405,3212.78 1386.36,3231.42 ccw(c1315.65,3160.71) 1315.65,3260.71 1155,3260.71 ccw(c1155,3235.88) 1137.44,3253.44 1075,3191 1075,3073.28 ccw(c1143.28,3073.28) 1095,3025
  region net VDD: 2495,3393.15 ccw(c2495,3346.26) 2461.85,3379.41 2429.58,3347.15 ccw(c2452.71,3324.02) 2420,3324.02 2420,3321.21 ccw(c2471.21,3321.21) 2435,3285 2446.72,3285 ccw(c2446.72,3353.28) 2495,3305
  region net VDD: 2225,2910 2253.58,2910 cw(c2253.58,2810) 2324.29,2880.71 2388.79,2816.21 ccw(c2440,2867.43) 2440,2795 2470,2795 cw(c2458.8,2783.8) 2474.64,2783.8 2474.64,2755.86 2262.03,2755.86 cw(c2262.03,2808.23) 2225,2771.2

## Silkscreen, mask and mechanical layers (free items; w line width, h text height)
Top Overlay:
  drawing of 3780 lines, arcs and shapes, not listed
  text "ALL_PWR" at 1125,3250 h70
  text "DRV_PWR" at 1125,2895 h70
  text "GND" at 2790,2535.63 h40
  text "LYA912" at 1511.91,2450 h80

## Text inside footprints (layer, text, board x,y; h text height)
C2: Top Overlay "+" at 1805,3216.32 h100 r90
JP1: Top Overlay "6" at 4580,2790 h50 r270; Top Overlay "5" at 4480,2790 h50 r270; Top Overlay "2" at 4580,3150 h50 r270; Top Overlay "1" at 4480,3130 h50 r270
JP2: Top Overlay "6" at 4576.02,3260 h50 r270; Top Overlay "5" at 4476.02,3260 h50 r270; Top Overlay "2" at 4576.02,3620 h50 r270; Top Overlay "1" at 4476.02,3600 h50 r270
K2: Top Overlay "up" at 3900,2870 h30